# Altium PCB 0020-03_FFT2G.PcbDoc (part 6 of 16)
Units mm, origin at the board's own origin, x right, y up, seen from the top; angles counter-clockwise.
Board outline 195 x 104.5 mm, 12 copper layers (Top Layer, GND1, LVDS1, PWR1, LVDS2, PWR2, LVDS3, PWR3, SIG1, SIG2, GND2, Bottom Layer), stack 1.422 mm thick; 721 components, 650 nets, 4014 pads, 3497 vias.
Unrouted connection lines stored in the file: 78.
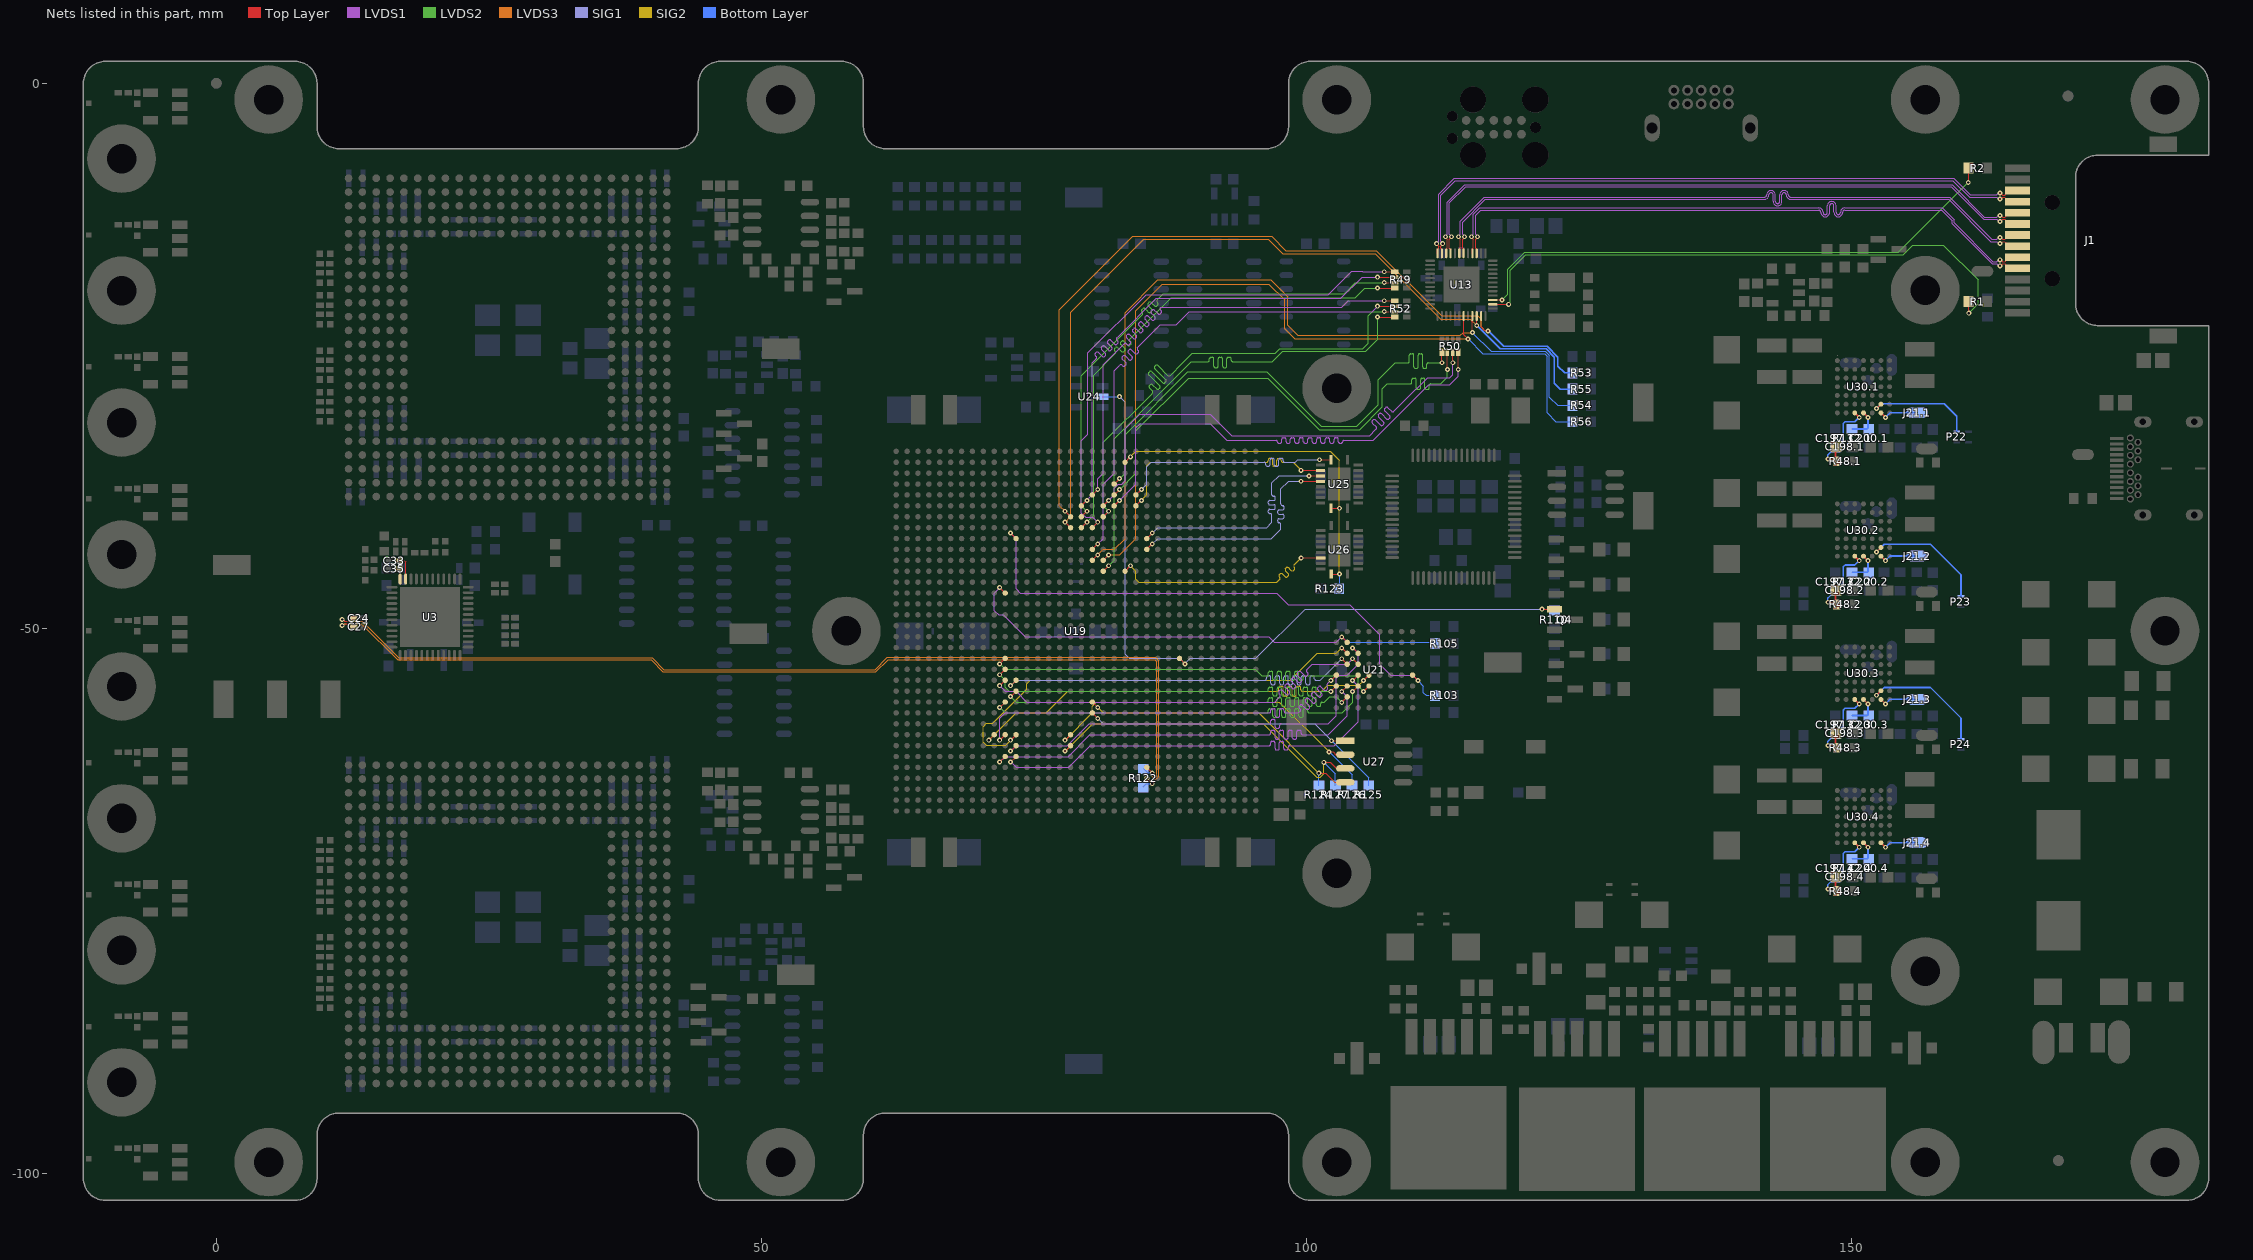
[diagram p16: the nets of this part, all layers, seen from the top]

## Via types
v1: diameter 0.45, hole 0.2, Top Layer to Bottom Layer, tented both sides, 3249 vias
v2: diameter 1, hole 0.5, Top Layer to Bottom Layer, tented both sides, 192 vias
v3: diameter 0.5, hole 0.2, Top Layer to Bottom Layer, tented both sides, 34 vias
v4: diameter 0.6, hole 0.3, Top Layer to Bottom Layer, tented both sides, 12 vias
v5: diameter 0.6, hole 0.2, Top Layer to Bottom Layer, tented both sides, 6 vias
v6: diameter 0.45/0.45/0.45/0.45/0.45/0.45/0.45 (per signal layer), hole 0.2, Top Layer to Bottom Layer, tented both sides, 4 vias

## Nets (pads, with @x,y where several pads share a name; then routed paths per layer and width w, separated by ;. In a path a pad name is that pad's centre, name@x,y a point inside that pad or via, vN(x,y) a via of type N, cw(c..) or ccw(c..) an arc to the next point about the centre after c; other vN are vias at no path point) (continued)
BPI_DQ4: U19.H24 U21.H5 | length 42.3
  Top Layer w0.1: v1(71.875,-60.28) U19.H24@72.375,-59.78 ; v1(102.26,-54.812) U21.H5@102.76,-54.312
  LVDS1 w0.1: v1(71.875,-60.28) 71.875,-58.28 72.375,-57.78 96.563,-57.78 96.623,-57.78 ccw(c96.623,-57.64) 96.763,-57.64 96.763,-57.52 cw(c96.903,-57.52) 96.903,-57.38 97.023,-57.38 cw(c97.023,-57.52) 97.163,-57.52 97.163,-57.78 97.163,-58.04 ccw(c97.303,-58.04) 97.303,-58.18 97.423,-58.18 ccw(c97.423,-58.04) 97.563,-58.04 97.563,-57.78 97.563,-57.52 cw(c97.703,-57.52) 97.703,-57.38 97.823,-57.38 cw(c97.823,-57.52) 97.963,-57.52 97.963,-57.64 ccw(c98.103,-57.64) 98.103,-57.78 98.264,-57.78 99.292,-57.78 99.407,-57.664 99.45,-57.621 ccw(c99.351,-57.522) 99.45,-57.423 99.365,-57.339 cw(c99.464,-57.24) 99.365,-57.141 99.45,-57.056 cw(c99.549,-57.155) 99.648,-57.056 99.832,-57.24 100.016,-57.423 ccw(c100.115,-57.324) 100.214,-57.423 100.298,-57.339 ccw(c100.199,-57.24) 100.298,-57.141 100.115,-56.957 99.931,-56.773 cw(c100.03,-56.674) 99.931,-56.575 100.016,-56.49 cw(c100.115,-56.589) 100.214,-56.49 100.397,-56.674 100.581,-56.858 ccw(c100.68,-56.759) 100.779,-56.858 100.864,-56.773 ccw(c100.765,-56.674) 100.864,-56.575 100.68,-56.391 100.496,-56.207 cw(c100.595,-56.108) 100.496,-56.009 100.581,-55.924 cw(c100.68,-56.023) 100.779,-55.924 100.963,-56.108 101.147,-56.292 ccw(c101.246,-56.193) 101.345,-56.292 101.43,-56.207 ccw(c101.331,-56.108) 101.43,-56.009 101.246,-55.825 101.062,-55.642 cw(c101.161,-55.543) 101.062,-55.444 101.147,-55.359 cw(c101.246,-55.458) 101.345,-55.359 101.529,-55.543 101.668,-55.681 ccw(c101.767,-55.582) 101.866,-55.681 101.951,-55.597 ccw(c101.852,-55.498) 101.951,-55.399 101.911,-55.359 cw(c102.01,-55.26) 101.911,-55.161 102.044,-55.027 v1(102.26,-54.812)
BPI_DQ5: U19.H25 U21.E5 | length 41.9
  Top Layer w0.1: v1(70.875,-60.28) U19.H25@71.375,-59.78 ; v1(105.26,-54.812) U21.E5@105.76,-54.312
  SIG2 w0.1: v1(70.875,-60.28) 73.384,-57.77 76.141,-57.77 78.122,-55.789 97.299,-55.789 97.359,-55.789 ccw(c97.359,-55.649) 97.499,-55.649 97.499,-55.477 cw(c97.639,-55.477) 97.639,-55.337 97.759,-55.337 cw(c97.759,-55.477) 97.899,-55.477 97.899,-55.789 97.899,-56.102 ccw(c98.039,-56.102) 98.039,-56.242 98.159,-56.242 ccw(c98.159,-56.102) 98.299,-56.102 98.299,-55.789 98.299,-55.477 cw(c98.439,-55.477) 98.439,-55.337 98.559,-55.337 cw(c98.559,-55.477) 98.699,-55.477 98.699,-55.789 98.699,-56.102 ccw(c98.839,-56.102) 98.839,-56.242 98.959,-56.242 ccw(c98.959,-56.102) 99.099,-56.102 99.099,-55.789 99.099,-55.477 cw(c99.239,-55.477) 99.239,-55.337 99.359,-55.337 cw(c99.359,-55.477) 99.499,-55.477 99.499,-55.649 ccw(c99.639,-55.649) 99.639,-55.789 99.839,-55.789 101.439,-55.789 101.973,-55.256 104.815,-55.256 v1(105.26,-54.812)
BPI_DQ6: U19.P24 U21.H6 | length 40.9
  Top Layer w0.1: v1(71.875,-54.28) U19.P24@72.375,-53.78 ; v1(102.26,-55.812) U21.H6@102.76,-55.312
  LVDS2 w0.1: v1(71.875,-54.28) 72.375,-54.78 72.375,-55.431 72.756,-55.812 96.334,-55.812 96.394,-55.812 ccw(c96.394,-55.672) 96.534,-55.672 96.534,-55.552 cw(c96.674,-55.552) 96.674,-55.412 96.794,-55.412 cw(c96.794,-55.552) 96.934,-55.552 96.934,-55.812 96.934,-56.072 ccw(c97.074,-56.072) 97.074,-56.212 97.194,-56.212 ccw(c97.194,-56.072) 97.334,-56.072 97.334,-55.812 97.334,-55.552 cw(c97.474,-55.552) 97.474,-55.412 97.594,-55.412 cw(c97.594,-55.552) 97.734,-55.552 97.734,-55.812 97.734,-56.072 ccw(c97.874,-56.072) 97.874,-56.212 97.994,-56.212 ccw(c97.994,-56.072) 98.134,-56.072 98.134,-55.812 98.134,-55.552 cw(c98.274,-55.552) 98.274,-55.412 98.394,-55.412 cw(c98.394,-55.552) 98.534,-55.552 98.534,-55.812 98.534,-56.072 ccw(c98.674,-56.072) 98.674,-56.212 98.794,-56.212 ccw(c98.794,-56.072) 98.934,-56.072 98.934,-55.812 98.934,-55.552 cw(c99.074,-55.552) 99.074,-55.412 99.194,-55.412 cw(c99.194,-55.552) 99.334,-55.552 99.334,-55.812 99.334,-56.072 ccw(c99.474,-56.072) 99.474,-56.212 99.594,-56.212 ccw(c99.594,-56.072) 99.734,-56.072 99.734,-55.812 99.734,-55.552 cw(c99.874,-55.552) 99.874,-55.412 99.994,-55.412 cw(c99.994,-55.552) 100.134,-55.552 100.134,-55.812 100.134,-56.072 ccw(c100.274,-56.072) 100.274,-56.212 100.394,-56.212 ccw(c100.394,-56.072) 100.534,-56.072 100.534,-55.812 100.534,-55.552 cw(c100.674,-55.552) 100.674,-55.412 100.794,-55.412 cw(c100.794,-55.552) 100.934,-55.552 100.934,-55.812 100.934,-56.072 ccw(c101.074,-56.072) 101.074,-56.212 101.194,-56.212 ccw(c101.194,-56.072) 101.334,-56.072 101.334,-55.952 cw(c101.474,-55.952) 101.474,-55.812 101.617,-55.812 v1(102.26,-55.812)
BPI_DQ7: U19.R24 U21.E6 | length 41.6
  Top Layer w0.1: v1(71.875,-53.28) U19.R24@72.375,-52.78 ; v1(105.26,-55.812) U21.E6@105.76,-55.312
  LVDS2 w0.1: v1(71.875,-53.28) 72.375,-53.78 95.319,-53.78 95.907,-54.367 96.334,-54.367 96.394,-54.367 ccw(c96.394,-54.227) 96.534,-54.227 96.534,-54.107 cw(c96.674,-54.107) 96.674,-53.967 96.794,-53.967 cw(c96.794,-54.107) 96.934,-54.107 96.934,-54.367 96.934,-54.627 ccw(c97.074,-54.627) 97.074,-54.767 97.194,-54.767 ccw(c97.194,-54.627) 97.334,-54.627 97.334,-54.367 97.334,-54.107 cw(c97.474,-54.107) 97.474,-53.967 97.594,-53.967 cw(c97.594,-54.107) 97.734,-54.107 97.734,-54.367 97.734,-54.627 ccw(c97.874,-54.627) 97.874,-54.767 97.994,-54.767 ccw(c97.994,-54.627) 98.134,-54.627 98.134,-54.367 98.134,-54.107 cw(c98.274,-54.107) 98.274,-53.967 98.394,-53.967 cw(c98.394,-54.107) 98.534,-54.107 98.534,-54.367 98.534,-54.627 ccw(c98.674,-54.627) 98.674,-54.767 98.794,-54.767 ccw(c98.794,-54.627) 98.934,-54.627 98.934,-54.367 98.934,-54.107 cw(c99.074,-54.107) 99.074,-53.967 99.194,-53.967 cw(c99.194,-54.107) 99.334,-54.107 99.334,-54.367 99.334,-54.627 ccw(c99.474,-54.627) 99.474,-54.767 99.594,-54.767 ccw(c99.594,-54.627) 99.734,-54.627 99.734,-54.507 cw(c99.874,-54.507) 99.874,-54.367 99.941,-54.367 104.487,-54.367 104.76,-54.639 104.76,-55.312 v1(105.26,-55.812)
BPI_DQ8: U19.G23 U21.F3 | length 41.6
  Top Layer w0.1: v1(72.875,-61.28) U19.G23@73.375,-60.78 ; v1(104.26,-51.812) U21.F3@104.76,-52.312
  LVDS1 w0.1: v1(72.875,-61.28) 73.375,-60.78 78.085,-60.78 80.085,-58.78 96.563,-58.78 96.623,-58.78 ccw(c96.623,-58.64) 96.763,-58.64 96.763,-58.52 cw(c96.903,-58.52) 96.903,-58.38 97.023,-58.38 cw(c97.023,-58.52) 97.163,-58.52 97.163,-58.78 97.163,-59.04 ccw(c97.303,-59.04) 97.303,-59.18 97.423,-59.18 ccw(c97.423,-59.04) 97.563,-59.04 97.563,-58.92 cw(c97.703,-58.92) 97.703,-58.78 97.909,-58.78 102.026,-58.78 102.76,-58.046 102.76,-54.617 103.061,-54.316 103.755,-54.316 104.76,-53.312 104.76,-52.312 v1(104.26,-51.812)
BPI_DQ9: U19.H23 U21.G3 | length 41.9
  Top Layer w0.1: v1(72.875,-60.28) U19.H23@73.375,-59.78 ; v1(103.26,-51.812) U21.G3@103.76,-52.312
  SIG2 w0.1: v1(72.875,-60.28) 72.413,-60.742 70.636,-60.742 70.35,-60.456 70.35,-59.04 70.655,-58.736 71.239,-58.736 74.363,-55.611 74.363,-55.103 74.668,-54.799 98.518,-54.799 101.005,-52.312 102.76,-52.312 v1(103.26,-51.812)
BPI_DQ10: U19.N24 U21.F4 | length 41.4
  Top Layer w0.1: v1(71.875,-55.28) U19.N24@72.375,-54.78 ; v1(104.26,-52.812) U21.F4@104.76,-53.312
  LVDS1 w0.1: v1(71.875,-55.28) 72.375,-55.78 73.375,-55.78 74.375,-56.78 97.092,-56.78 97.473,-56.399 97.586,-56.286 ccw(c97.487,-56.187) 97.586,-56.088 97.501,-56.003 cw(c97.6,-55.904) 97.501,-55.805 97.586,-55.72 cw(c97.685,-55.819) 97.784,-55.72 97.968,-55.904 98.152,-56.088 ccw(c98.251,-55.989) 98.35,-56.088 98.435,-56.003 ccw(c98.336,-55.904) 98.435,-55.805 98.251,-55.621 98.067,-55.437 cw(c98.166,-55.338) 98.067,-55.239 98.152,-55.154 cw(c98.251,-55.253) 98.35,-55.154 98.534,-55.338 98.717,-55.522 ccw(c98.816,-55.423) 98.915,-55.522 99,-55.437 ccw(c98.901,-55.338) 99,-55.239 98.816,-55.055 98.633,-54.872 cw(c98.732,-54.773) 98.633,-54.674 98.717,-54.589 cw(c98.816,-54.688) 98.915,-54.589 99.099,-54.773 99.283,-54.956 ccw(c99.382,-54.857) 99.481,-54.956 99.566,-54.872 ccw(c99.467,-54.773) 99.566,-54.674 99.382,-54.49 99.198,-54.306 cw(c99.297,-54.207) 99.198,-54.108 99.283,-54.023 cw(c99.382,-54.122) 99.481,-54.023 99.665,-54.207 99.849,-54.391 ccw(c99.948,-54.292) 100.047,-54.391 100.132,-54.306 ccw(c100.033,-54.207) 100.132,-54.108 100.047,-54.023 cw(c100.146,-53.924) 100.047,-53.825 100.089,-53.783 100.56,-53.312 103.76,-53.312 v1(104.26,-52.812)
BPI_DQ11: U19.N23 U21.G4 | length 40.2
  Top Layer w0.1: v1(72.875,-55.28) U19.N23@73.375,-54.78 ; v1(103.26,-52.812) U21.G4@103.76,-53.312
  SIG1 w0.1: v1(72.875,-55.28) 73.375,-54.78 96.156,-54.78 96.216,-54.78 ccw(c96.216,-54.64) 96.356,-54.64 96.356,-54.52 cw(c96.496,-54.52) 96.496,-54.38 96.616,-54.38 cw(c96.616,-54.52) 96.756,-54.52 96.756,-54.78 96.756,-55.04 ccw(c96.896,-55.04) 96.896,-55.18 97.016,-55.18 ccw(c97.016,-55.04) 97.156,-55.04 97.156,-54.78 97.156,-54.52 cw(c97.296,-54.52) 97.296,-54.38 97.416,-54.38 cw(c97.416,-54.52) 97.556,-54.52 97.556,-54.78 97.556,-55.04 ccw(c97.696,-55.04) 97.696,-55.18 97.816,-55.18 ccw(c97.816,-55.04) 97.956,-55.04 97.956,-54.78 97.956,-54.52 cw(c98.096,-54.52) 98.096,-54.38 98.216,-54.38 cw(c98.216,-54.52) 98.356,-54.52 98.356,-54.78 98.356,-55.04 ccw(c98.496,-55.04) 98.496,-55.18 98.616,-55.18 ccw(c98.616,-55.04) 98.756,-55.04 98.756,-54.78 98.756,-54.52 cw(c98.896,-54.52) 98.896,-54.38 99.016,-54.38 cw(c99.016,-54.52) 99.156,-54.52 99.156,-54.78 99.156,-55.04 ccw(c99.296,-55.04) 99.296,-55.18 99.416,-55.18 ccw(c99.416,-55.04) 99.556,-55.04 99.556,-54.78 99.556,-54.52 cw(c99.696,-54.52) 99.696,-54.38 99.816,-54.38 cw(c99.816,-54.52) 99.956,-54.52 99.956,-54.78 99.956,-55.04 ccw(c100.096,-55.04) 100.096,-55.18 100.216,-55.18 ccw(c100.216,-55.04) 100.356,-55.04 100.356,-54.78 100.356,-54.52 cw(c100.496,-54.52) 100.496,-54.38 100.616,-54.38 cw(c100.616,-54.52) 100.756,-54.52 100.756,-54.64 ccw(c100.896,-54.64) 100.896,-54.78 101.135,-54.78 101.292,-54.78 v1(103.26,-52.812)
BPI_DQ12: U19.F23 U21.F5 | length 41.8
  Top Layer w0.1: v1(72.875,-62.28) U19.F23@73.375,-61.78 ; v1(104.26,-54.812) U21.F5@104.76,-54.312
  LVDS1 w0.1: v1(72.875,-62.28) 73.375,-62.78 78.193,-62.78 80.193,-60.78 96.537,-60.78 96.597,-60.78 ccw(c96.597,-60.64) 96.737,-60.64 96.737,-60.52 cw(c96.877,-60.52) 96.877,-60.38 96.997,-60.38 cw(c96.997,-60.52) 97.137,-60.52 97.137,-60.78 97.137,-61.04 ccw(c97.277,-61.04) 97.277,-61.18 97.397,-61.18 ccw(c97.397,-61.04) 97.537,-61.04 97.537,-60.78 97.537,-60.52 cw(c97.677,-60.52) 97.677,-60.38 97.797,-60.38 cw(c97.797,-60.52) 97.937,-60.52 97.937,-60.78 97.937,-61.04 ccw(c98.077,-61.04) 98.077,-61.18 98.197,-61.18 ccw(c98.197,-61.04) 98.337,-61.04 98.337,-60.92 cw(c98.477,-60.92) 98.477,-60.78 98.62,-60.78 102.58,-60.78 104.76,-58.6 104.76,-55.312 v1(104.26,-54.812)
BPI_DQ13: U19.F24 U21.G6 | length 42.1
  Top Layer w0.1: v1(71.875,-62.28) U19.F24@72.375,-61.78 ; v1(103.26,-55.812) U21.G6@103.76,-55.312
  LVDS1 w0.1: v1(71.875,-62.28) 72.375,-61.78 78.154,-61.78 80.154,-59.78 96.537,-59.78 96.597,-59.78 ccw(c96.597,-59.64) 96.737,-59.64 96.737,-59.52 cw(c96.877,-59.52) 96.877,-59.38 96.997,-59.38 cw(c96.997,-59.52) 97.137,-59.52 97.137,-59.78 97.137,-60.04 ccw(c97.277,-60.04) 97.277,-60.18 97.397,-60.18 ccw(c97.397,-60.04) 97.537,-60.04 97.537,-59.78 97.537,-59.52 cw(c97.677,-59.52) 97.677,-59.38 97.797,-59.38 cw(c97.797,-59.52) 97.937,-59.52 97.937,-59.78 97.937,-60.04 ccw(c98.077,-60.04) 98.077,-60.18 98.197,-60.18 ccw(c98.197,-60.04) 98.337,-60.04 98.337,-59.78 98.337,-59.52 cw(c98.477,-59.52) 98.477,-59.38 98.597,-59.38 cw(c98.597,-59.52) 98.737,-59.52 98.737,-59.78 98.737,-60.04 ccw(c98.877,-60.04) 98.877,-60.18 98.997,-60.18 ccw(c98.997,-60.04) 99.137,-60.04 99.137,-59.78 99.137,-59.52 cw(c99.277,-59.52) 99.277,-59.38 99.397,-59.38 cw(c99.397,-59.52) 99.537,-59.52 99.537,-59.64 ccw(c99.677,-59.64) 99.677,-59.78 99.839,-59.78 102.026,-59.78 103.76,-58.046 103.76,-56.312 v1(103.26,-55.812)
BPI_DQ14: U19.L24 U21.F6 | length 41.4
  Top Layer w0.1: v1(71.875,-57.28) U19.L24@72.375,-56.78 ; v1(104.26,-55.812) U21.F6@104.76,-55.312
  LVDS2 w0.1: v1(71.875,-57.28) 72.375,-57.78 96.334,-57.78 96.394,-57.78 ccw(c96.394,-57.64) 96.534,-57.64 96.534,-57.52 cw(c96.674,-57.52) 96.674,-57.38 96.794,-57.38 cw(c96.794,-57.52) 96.934,-57.52 96.934,-57.78 96.934,-58.04 ccw(c97.074,-58.04) 97.074,-58.18 97.194,-58.18 ccw(c97.194,-58.04) 97.334,-58.04 97.334,-57.78 97.334,-57.52 cw(c97.474,-57.52) 97.474,-57.38 97.594,-57.38 cw(c97.594,-57.52) 97.734,-57.52 97.734,-57.78 97.734,-58.04 ccw(c97.874,-58.04) 97.874,-58.18 97.994,-58.18 ccw(c97.994,-58.04) 98.134,-58.04 98.134,-57.78 98.134,-57.52 cw(c98.274,-57.52) 98.274,-57.38 98.394,-57.38 cw(c98.394,-57.52) 98.534,-57.52 98.534,-57.78 98.534,-58.04 ccw(c98.674,-58.04) 98.674,-58.18 98.794,-58.18 ccw(c98.794,-58.04) 98.934,-58.04 98.934,-57.78 98.934,-57.52 cw(c99.074,-57.52) 99.074,-57.38 99.194,-57.38 cw(c99.194,-57.52) 99.334,-57.52 99.334,-57.78 99.334,-58.04 ccw(c99.474,-58.04) 99.474,-58.18 99.594,-58.18 ccw(c99.594,-58.04) 99.734,-58.04 99.734,-57.78 99.734,-57.52 cw(c99.874,-57.52) 99.874,-57.38 99.994,-57.38 cw(c99.994,-57.52) 100.134,-57.52 100.134,-57.64 ccw(c100.274,-57.64) 100.274,-57.78 100.322,-57.78 103.292,-57.78 104.26,-56.812 v1(104.26,-55.812)
BPI_DQ15: U19.M23 U21.G7 | length 40.4
  Top Layer w0.1: v1(72.875,-56.28) U19.M23@73.375,-55.78 ; v1(103.26,-56.812) U21.G7@103.76,-56.312
  LVDS2 w0.1: v1(72.875,-56.28) 73.375,-56.78 96.334,-56.78 96.394,-56.78 ccw(c96.394,-56.64) 96.534,-56.64 96.534,-56.52 cw(c96.674,-56.52) 96.674,-56.38 96.794,-56.38 cw(c96.794,-56.52) 96.934,-56.52 96.934,-56.78 96.934,-57.04 ccw(c97.074,-57.04) 97.074,-57.18 97.194,-57.18 ccw(c97.194,-57.04) 97.334,-57.04 97.334,-56.78 97.334,-56.52 cw(c97.474,-56.52) 97.474,-56.38 97.594,-56.38 cw(c97.594,-56.52) 97.734,-56.52 97.734,-56.78 97.734,-57.04 ccw(c97.874,-57.04) 97.874,-57.18 97.994,-57.18 ccw(c97.994,-57.04) 98.134,-57.04 98.134,-56.78 98.134,-56.52 cw(c98.274,-56.52) 98.274,-56.38 98.394,-56.38 cw(c98.394,-56.52) 98.534,-56.52 98.534,-56.78 98.534,-57.04 ccw(c98.674,-57.04) 98.674,-57.18 98.794,-57.18 ccw(c98.794,-57.04) 98.934,-57.04 98.934,-56.78 98.934,-56.52 cw(c99.074,-56.52) 99.074,-56.38 99.194,-56.38 cw(c99.194,-56.52) 99.334,-56.52 99.334,-56.78 99.334,-57.04 ccw(c99.474,-57.04) 99.474,-57.18 99.594,-57.18 ccw(c99.594,-57.04) 99.734,-57.04 99.734,-56.78 99.734,-56.52 cw(c99.874,-56.52) 99.874,-56.38 99.994,-56.38 cw(c99.994,-56.52) 100.134,-56.52 100.134,-56.78 100.134,-57.04 ccw(c100.274,-57.04) 100.274,-57.18 100.394,-57.18 ccw(c100.394,-57.04) 100.534,-57.04 100.534,-56.78 100.534,-56.52 cw(c100.674,-56.52) 100.674,-56.38 100.794,-56.38 cw(c100.794,-56.52) 100.934,-56.52 100.934,-56.78 100.934,-57.04 ccw(c101.074,-57.04) 101.074,-57.18 101.194,-57.18 ccw(c101.194,-57.04) 101.334,-57.04 101.334,-56.92 cw(c101.474,-56.92) 101.474,-56.78 101.566,-56.78 101.677,-56.78 102.145,-56.312 102.76,-56.312 v1(103.26,-56.812)
BPI_OE#: R105.2 U19.AA24 U21.G2 | length 45.8
  Top Layer w0.1: v1(71.875,-46.28) U19.AA24@72.375,-46.78 ; v1(103.26,-50.812) U21.G2@103.76,-51.312
  LVDS1 w0.1: v1(71.875,-46.28) 71.375,-46.78 71.375,-48.386 71.769,-48.78 72.201,-48.78 74.201,-50.78 96.553,-50.78 97.085,-51.312 102.76,-51.312 v1(103.26,-50.812)
  Bottom Layer w0.1: v1(103.26,-50.812) 103.76,-51.312 111.711,-51.312 R105.2@111.824,-51.424
BPI_WE#: R103.2 U19.AF23 U21.A5 | length 51.2
  Top Layer w0.1: v1(72.875,-41.28) U19.AF23@73.375,-41.78 ; U21.A5@109.76,-54.312 v1(110.26,-54.812)
  LVDS1 w0.1: v1(72.875,-41.28) 73.375,-41.78 73.375,-46.4 73.755,-46.78 97.283,-46.78 98.343,-47.839 103.975,-47.839 106.76,-50.623 106.76,-53.312 107.765,-54.317 109.765,-54.317 v1(110.26,-54.812)
  Bottom Layer w0.1: v1(110.26,-54.812) 110.76,-55.312 110.76,-55.941 110.993,-56.175 R103.2@111.824,-56.175 R103.2@111.831,-56.175
BUF_USB_OE: R123.1 U19.AN13 U25.10 U26.10 | length 33.8
  Top Layer w0.1: U19.AN13@83.375,-34.78 v1(83.875,-34.28) ; U25.10@102.29,-39.002 v1(103.051,-39.002) ; U26.10@102.299,-45.035 v1(103.061,-45.035)
  SIG2 w0.1: v1(83.875,-34.28) 84.375,-33.78 102.22,-33.78 103.051,-34.611 v1(103.051,-39.002) 103.051,-45.025 v1(103.061,-45.035)
  Bottom Layer w0.1: R123.1@103.002,-46.405 R123.1@103.022,-46.385 103.061,-46.346 v1(103.061,-45.035)
CLK1: P22.1 U30.1.F2 | length 10.1
  Top Layer w0.15: v1(152.324,-29.86) U30.1.F2@152.735,-29.449
  Bottom Layer w0.15: v1(152.324,-29.86) 152.784,-29.4 158.55,-29.4 159.7,-30.55 P22.1@159.7,-31.977
CLK2: P23.1 U30.2.F2 | length 11.8
  Top Layer w0.15: v1(152.324,-43.01) U30.2.F2@152.735,-42.598
  Bottom Layer w0.15: v1(152.324,-43.01) 153.033,-42.3 157.275,-42.3 160.08,-45.105 P23.1@160.08,-47.098
CLK3: P24.1 U30.3.F2 | length 11.8
  Top Layer w0.15: v1(152.324,-56.159) U30.3.F2@152.735,-55.748
  Bottom Layer w0.15: v1(152.324,-56.159) 153.033,-55.449 157.275,-55.449 160.08,-58.254 P24.1@160.08,-60.247
COMPa.1: C200.1.1 R132.1.2 U30.1.D1 | length 3.1
  Top Layer w0.15: U30.1.D1@151.135,-30.249 v1(151.546,-30.661)
  Bottom Layer w0.15: R132.1.2@150.092,-31.724 151.49,-31.724 151.546,-31.668 v1(151.546,-30.661)
COMPa.2: C200.2.1 R132.2.2 U30.2.D1 | length 3.1
  Top Layer w0.15: U30.2.D1@151.135,-43.398 v1(151.546,-43.81)
  Bottom Layer w0.15: R132.2.2@150.092,-44.873 151.49,-44.873 151.546,-44.817 v1(151.546,-43.81)
COMPa.3: C200.3.1 R132.3.2 U30.3.D1 | length 3.1
  Top Layer w0.15: U30.3.D1@151.135,-56.548 v1(151.546,-56.959)
  Bottom Layer w0.15: R132.3.2@150.092,-58.022 151.49,-58.022 151.546,-57.967 v1(151.546,-56.959)
COMPa.4: C200.4.1 R132.4.2 U30.4.D1 | length 3.1
  Top Layer w0.15: U30.4.D1@151.135,-69.697 v1(151.546,-70.108)
  Bottom Layer w0.15: R132.4.2@150.092,-71.171 151.49,-71.171 151.546,-71.116 v1(151.546,-70.108)
COMPb.1: J21.1.1 U30.1.F1 | length 3.7
  Top Layer w0.15: U30.1.F1@152.735,-30.249 v1(153.146,-30.661)
  Bottom Layer w0.15: v1(153.146,-30.661) 153.569,-30.237 J21.1.1@156.049,-30.237
COMPb.2: J21.2.1 U30.2.F1 | length 3.7
  Top Layer w0.15: U30.2.F1@152.735,-43.398 v1(153.146,-43.81)
  Bottom Layer w0.15: v1(153.146,-43.81) 153.569,-43.386 J21.2.1@156.049,-43.386
COMPb.3: J21.3.1 U30.3.F1 | length 3.7
  Top Layer w0.15: U30.3.F1@152.735,-56.548 v1(153.146,-56.959)
  Bottom Layer w0.15: v1(153.146,-56.959) 153.569,-56.535 J21.3.1@156.049,-56.535
COMPb.4: J21.4.1 U30.4.F1 | length 3.7
  Top Layer w0.15: U30.4.F1@152.735,-69.697 v1(153.146,-70.108)
  Bottom Layer w0.15: v1(153.146,-70.108) 153.569,-69.684 J21.4.1@156.049,-69.684
DONE: Q4.1 R110.2 U19.R8 U24.2 | length 69.2
  Top Layer w0.1: U19.R8@88.375,-52.78 v1(88.875,-53.28) ; v1(121.644,-48.26) Q4.1@122.789,-48.26
  SIG1 w0.1: v1(82.875,-28.763) 83.375,-29.264 83.375,-52.41 83.744,-52.78 88.375,-52.78 v1(88.875,-53.28) 89.375,-52.78 95.377,-52.78 99.896,-48.26 v1(121.644,-48.26)
  Bottom Layer w0.1: U24.2@81.299,-28.763 v1(82.875,-28.763) ; v1(121.644,-48.26) 122.659,-48.26 R110.2@122.771,-48.372
E2_CLK: R126.2 U19.H18 U27.2 | length 34.5
  Top Layer w0.1: v1(77.875,-60.28) U19.H18@78.375,-59.78 ; v1(102.095,-61.352) 102.476,-61.352 102.73,-61.606 U27.2@103.886,-61.606
  SIG2 w0.1: v1(77.875,-60.28) 80.375,-57.78 80.375,-57.169 80.745,-56.799 97.542,-56.799 v1(102.095,-61.352)
  Bottom Layer w0.1: v1(102.095,-61.352) 104.211,-63.467 R126.2@104.211,-64.451
E2_CS: R125.2 U19.K16 U27.1 | length 30.1
  Top Layer w0.1: U19.K16@80.375,-57.78 v1(80.875,-58.28) ; v1(102.324,-60.336) U27.1@103.886,-60.336
  SIG1 w0.1: v1(80.875,-58.28) 81.375,-58.78 100.768,-58.78 v1(102.324,-60.336)
  Bottom Layer w0.1: v1(102.324,-60.336) 105.738,-63.75 R125.2@105.738,-64.451
E2_DI: R127.2 U19.G18 U27.3 | length 33.8
  Top Layer w0.1: v1(77.875,-61.28) U19.G18@78.375,-60.78 ; v1(101.616,-62.314) 102.194,-62.314 102.756,-62.876 U27.3@103.886,-62.876
  SIG2 w0.1: v1(77.875,-61.28) 80.394,-58.761 96.037,-58.761 100.959,-63.682 101.311,-63.682 101.616,-63.377 v1(101.616,-62.314)
  Bottom Layer w0.1: v1(101.616,-62.314) 102.683,-63.381 R127.2@102.683,-64.451
E2_DO: R124.1 U19.L16 U27.4 | length 27.7
  Top Layer w0.1: U19.L16@80.375,-56.78 v1(80.875,-57.28) ; v1(101.156,-63.307) 101.791,-63.307 102.629,-64.146 U27.4@103.886,-64.146
  SIG2 w0.1: v1(80.875,-57.28) 81.375,-57.78 95.628,-57.78 v1(101.156,-63.307)
  Bottom Layer w0.1: R124.1@101.156,-64.451 v1(101.156,-63.307)
ETH_ACT: R2.2 U13.39 | length 50.8
  Top Layer w0.1: U13.39@117.121,-19.886 v1(117.976,-19.886) ; v1(160.75,-9.1) 160.778,-9.072 R2.2@160.778,-7.796
  LVDS2 w0.1: v1(117.976,-19.886) 118.507,-19.356 118.507,-17.068 120.05,-15.525 154.325,-15.525 v1(160.75,-9.1) v1@160.75,-9.125
ETH_D0_N: J1.4 U13.11 | length 59.9
  Top Layer w0.1: U13.11@112.446,-15.611 112.446,-15.252 112.346,-15.152 112.346,-14.958 112.521,-14.783 v1(112.521,-14.724) ; v1(163.662,-10.635) 163.721,-10.635 163.896,-10.46 164.116,-10.46 164.175,-10.518 164.175,-10.565 164.48,-10.87 J1.4@165.27,-10.87